# Altium PCB Digital_Output_PCB.PcbDoc (part 2 of 3)
Units mil, origin at the board's own origin, x right, y up, seen from the top; angles counter-clockwise.
Board outline 5600 x 4000 mil, 4 copper layers (Top Layer, Plane(Gnd), Plane(Power), Bottom Layer), stack 23.756 mil thick; 280 components, 305 nets, 760 pads, 331 vias.
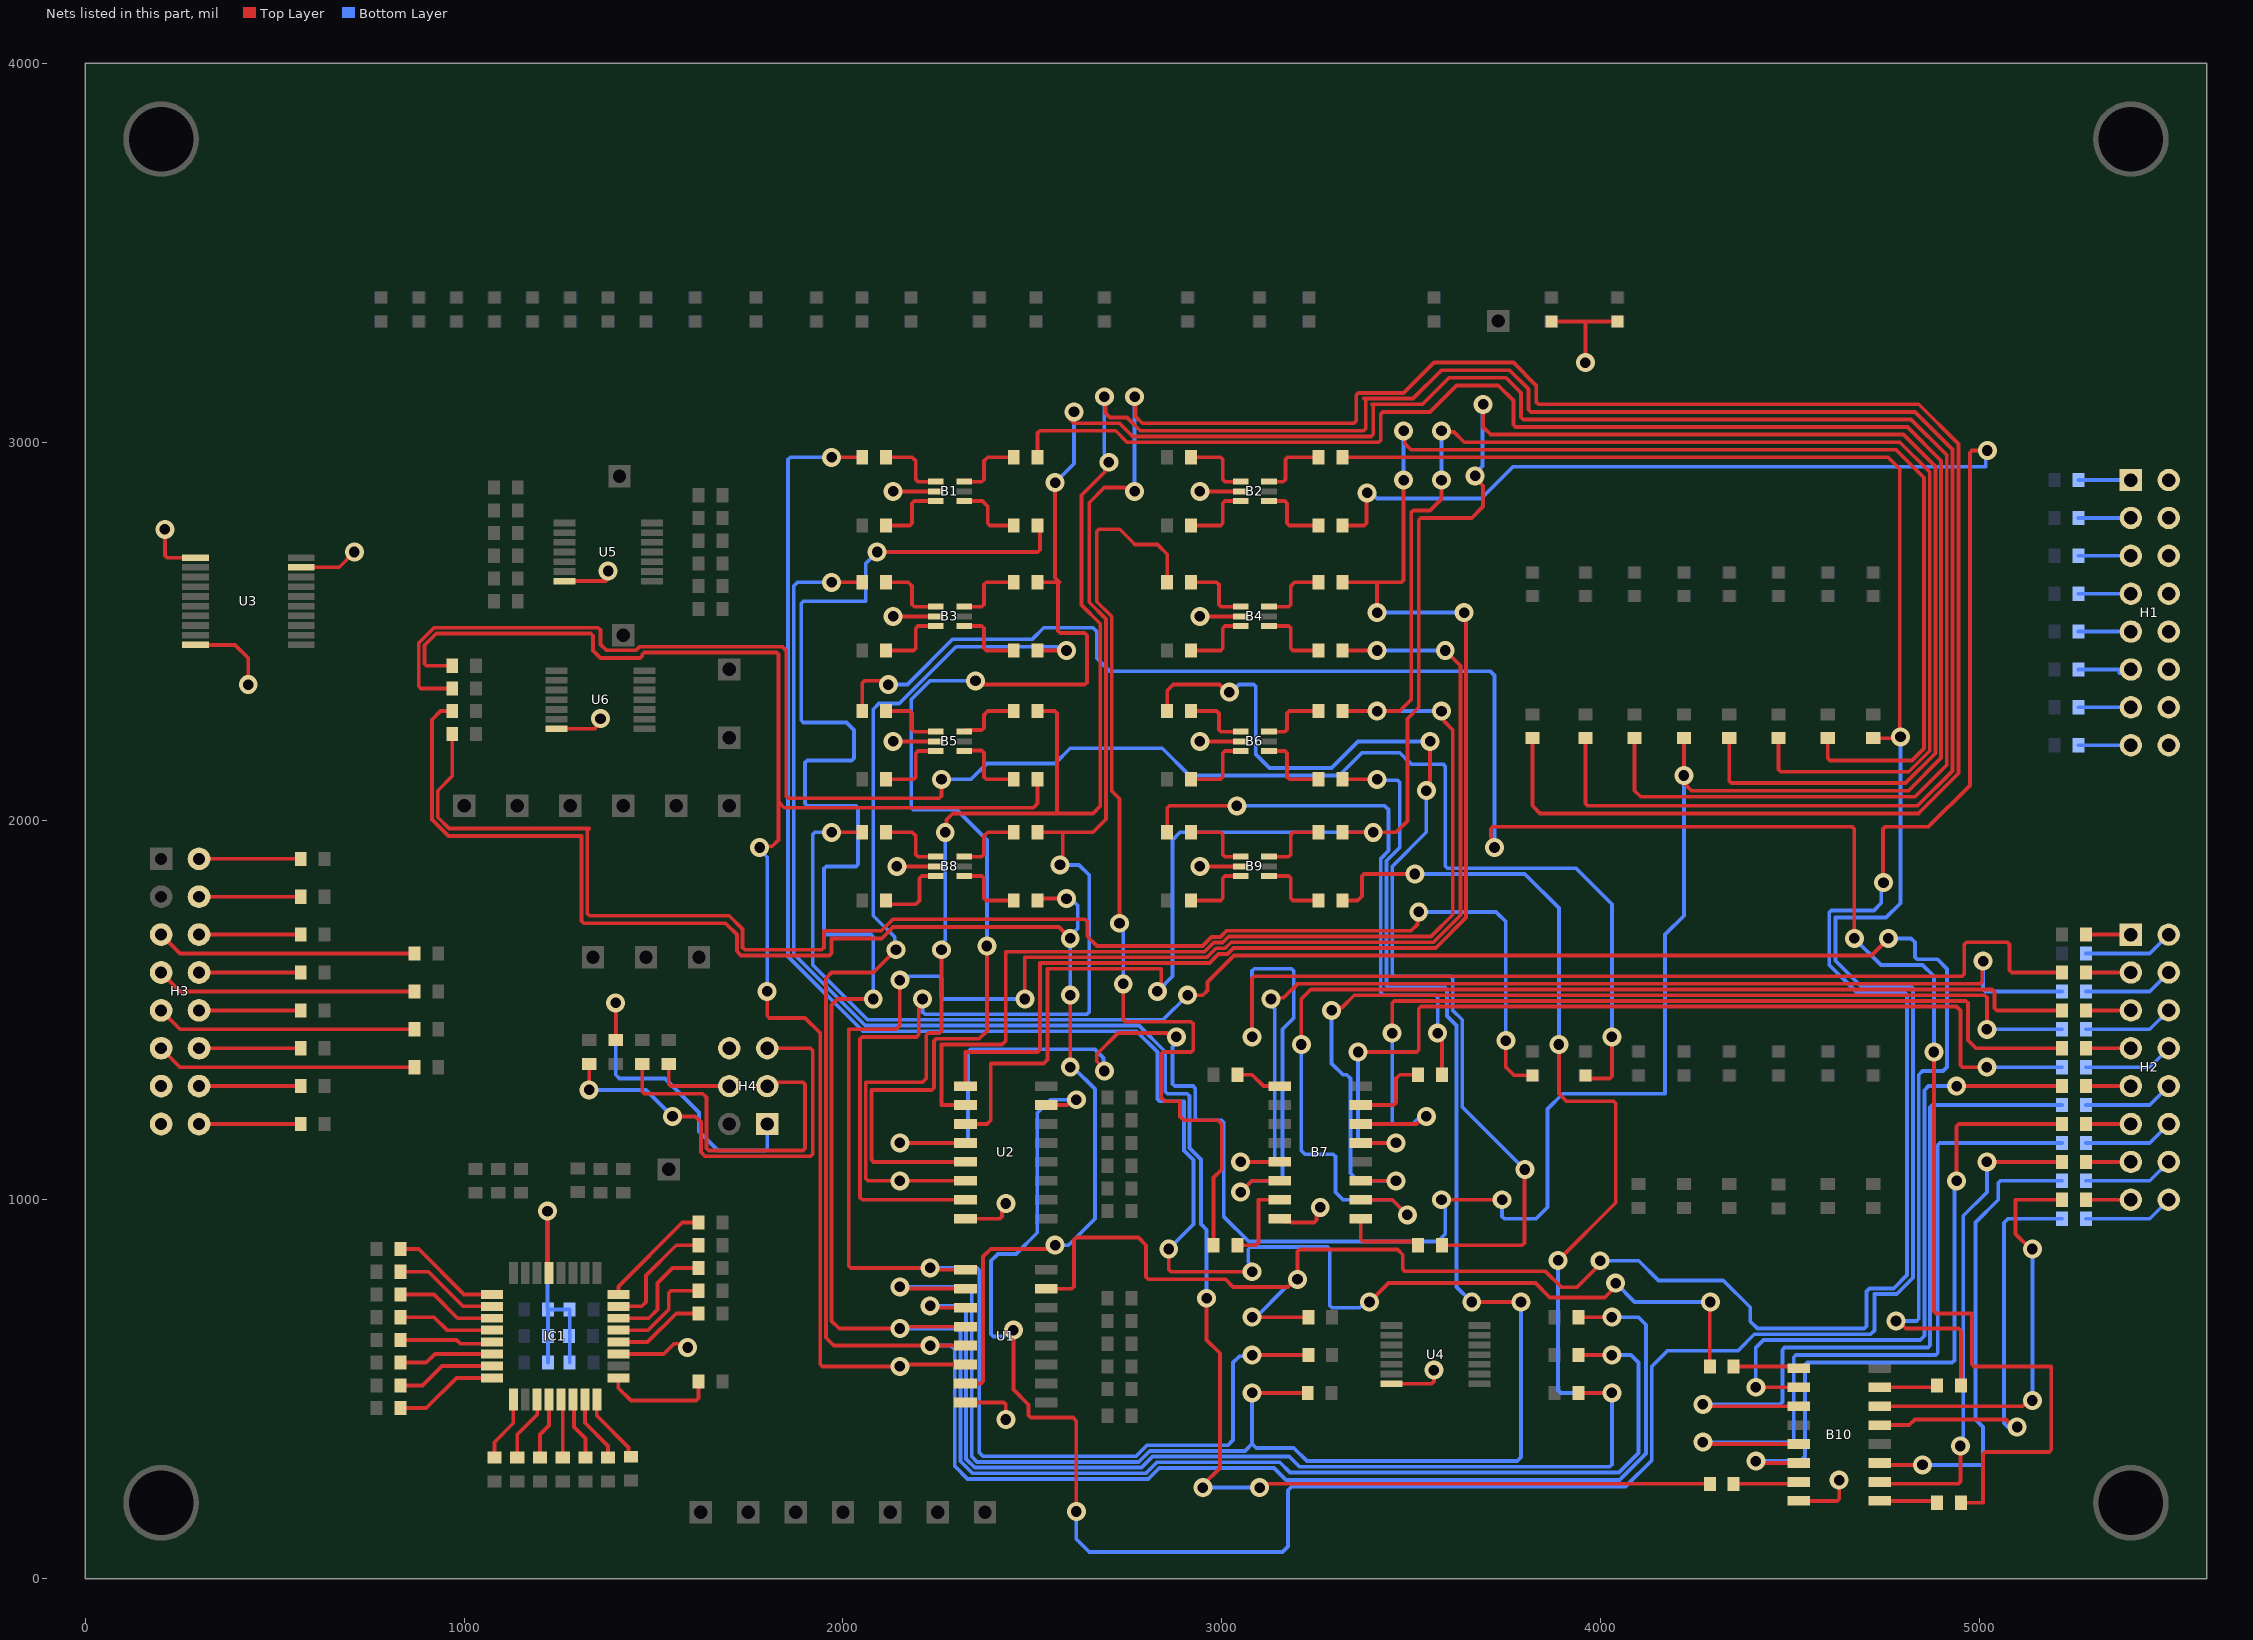
[diagram p4: the nets of this part, all layers, seen from the top]

## Via types
v1: diameter 50, hole 28, Top Layer to Bottom Layer, 331 vias

## Nets (pads, with @x,y where several pads share a name; then routed paths per layer and width w, separated by ;. In a path a pad name is that pad's centre, name@x,y a point inside that pad or via, vN(x,y) a via of type N, cw(c..) or ccw(c..) an arc to the next point about the centre after c; other vN are vias at no path point) (continued)
Diff_Channel_Out_1: R20.2 R50.1 | length 2612.9
  Top Layer w10: v1(2730,1730) 2730,2058.79 2709.39,2079.39 2709.39,2539.39 2670,2578.79 2670,2764.14 2675.86,2770 2730.88,2770 2765.02,2735.86 2770.88,2730 2830,2730 2855.91,2704.09 R20.2@2855.91,2630 ; v1(2740,1570) 2740,1475.86 2745.86,1470 2919.14,1470 2925,1464.14 2925,1395.86 2919.14,1390 2845.86,1390 2840,1384.14 2840,1270 2850,1260 2890,1260 2890,1220 2900,1210 2990,1210 3000,1200 3000,1080 2978.5,1058.5 R50.1@2978.5,880
  Bottom Layer w10: v1(2730,1730) 2734.14,1730 2740,1724.14 v1(2740,1570)
Diff_Channel_Out_1_A: B7.6 R27.1 | length 3541.6
  Top Layer w10: v1(3050,1020) 3080,1050 B7.6@3153.23,1050 ; v1(3080,1430) 3080,1584.14 3085.86,1590 4954.14,1590 4960,1595.86 4960,1674.14 4965.86,1680 5074.14,1680 5080,1674.14 5080,1605.86 5085.86,1600 R27.1@5218.5,1600
  Bottom Layer w10: v1(3050,1020) 3080,1050 3154.14,1050 3160,1055.86 3160,1450 3190,1480 3190,1604.14 3184.14,1610 3085.86,1610 3080,1604.14 v1(3080,1430)
Diff_Channel_Out_1_B: B7.5 R28.2 | length 2860.7
  Top Layer w10: v1(3050,1100) B7.5@3153.23,1100 ; v1(3130,1530) 3133.28,1533.28 3163.28,1533.28 3200,1570 5001.72,1570 5007.57,1575.86 5007.57,1627.57 v1(5010,1630)
  Bottom Layer w10: v1(3050,1100) 3134.14,1100 3140,1105.86 3140,1504.14 3137.65,1506.49 3137.65,1522.35 v1(3130,1530) ; v1(5010,1630) 5010,1555.86 5015.86,1550 R28.2@5218.5,1550
Diff_Channel_Out_2: R44.2 R51.1 | length 2813.8
  Top Layer w10: R44.2@2855.91,2290 2855.91,2344.14 2871.76,2360 2994.14,2360 3014.14,2340 v1(3020,2340) ; v1(3540,2080) 3550,2090 v1(3550,2210) ; R51.1@3581.5,880 3793.28,880 3799.14,885.86 3799.14,1079.14 v1(3800,1080)
  Bottom Layer w10: v1(3020,2340) 3025.86,2340 3045.86,2360 3084.14,2360 3090,2354.14 3090,2175.86 3125.86,2140 3290,2140 3360,2210 v1(3550,2210) ; v1(3540,2080) 3540,1970 3450,1880 3450,1595.86 3455.86,1590 3604.14,1590 3610,1584.14 3610,1500 3635,1475 3635,1245 v1(3800,1080)
Diff_Channel_Out_2_A: B7.10 R29.1 | length 3012.4
  Top Layer w10: v1(3210,1410) 3210,1530 3235,1555 5034.14,1555 5040,1549.14 5040,1505.86 5045.86,1500 R29.1@5218.5,1500 ; B7.10@3366.77,1000 3450,1000 v1(3490,960)
  Bottom Layer w10: v1(3210,1410) 3210,1130 3220,1120 3294.14,1120 3300,1114.14 3300,1020 3320,1000 3450,1000 v1(3490,960)
Diff_Channel_Out_2_B: B7.11 R30.2 | length 2709.7
  Top Layer w10: v1(3290,1500) 3297.65,1507.65 3317.65,1507.65 3350,1540 5014.14,1540 5020,1534.14 v1(5020,1450) ; B7.11@3366.77,1050 v1(3460,1050)
  Bottom Layer w10: v1(3290,1500) 3290,1360 3320,1330 3330,1330 3340,1320 3340,1070 3360,1050 v1(3460,1050) ; v1(5020,1450) R30.2@5218.5,1450
Diff_Channel_Out_3: R52.1 R56.2 | length 1514.3
  Top Layer w10: R56.2@2855.91,1970 2855.91,2034.14 2861.76,2040 v1(3040,2040) ; v1(3570,1440) 3575.64,1440 3581.5,1434.14 R52.1@3581.5,1330
  Bottom Layer w10: v1(3040,2040) 3430,2040 3440,2030 3440,1921.21 3420,1901.21 3420,1545.86 3425.86,1540 3564.14,1540 3570,1534.14 v1(3570,1440)
Diff_Channel_Out_3_A: B7.14 R31.1 | length 2475.6
  Top Layer w10: B7.14@3366.77,1200 3514.14,1200 3534.14,1220 v1(3540,1220) ; v1(3450,1440) 3450,1519.14 3455.86,1525 4964.14,1525 4970,1519.14 4970,1421.21 4991.21,1400 R31.1@5218.5,1400
  Bottom Layer w10: v1(3450,1440) 3450,1205.86 3455.86,1200 3504.14,1200 3516.49,1212.35 3532.35,1212.35 v1(3540,1220)
Diff_Channel_Out_3_B: B7.13 R32.2 | length 2552.1
  Top Layer w10: v1(3360,1390) 3514.14,1390 3520,1395.86 3520,1504.14 3525.86,1510 4940,1510 4950,1500 4950,1355.86 4955.86,1350 v1(5020,1350) ; B7.13@3366.77,1150 v1(3460,1150)
  Bottom Layer w10: v1(3360,1390) 3360,1155.86 3365.86,1150 v1(3460,1150) ; v1(5020,1350) R32.2@5218.5,1350
Diff_Channel_Out_4: R4.2 R61.1 | length 5184.1
  Top Layer w10: v1(1970,2960) R4.2@2050.91,2960 ; v1(2860,870) 2860,815.86 2865.86,810 v1(3080,810) ; v1(3390,730) 3440,780 3828,780 3866,742 4011,742 4040,771 v1(4040,780) ; R61.1@4288.5,560 4288.5,728.5 v1(4290,730)
  Bottom Layer w10: v1(1970,2960) 1860.86,2960 1855,2954.14 1855,1642.57 2052.57,1445 2775,1445 2830,1390 2830,1265.86 2835.86,1260 2900,1260 2900,1130 2925.36,1104.64 2925.36,935.36 v1(2860,870) ; v1(3080,810) 3072.35,817.65 3072.35,833.51 3070,835.86 3070,869.14 3075.86,875 3279.16,875 3285.01,869.14 3285.01,720.84 3290.87,714.99 3364.16,714.99 3379.18,730 v1(3390,730) ; v1(4040,780) 4090,730 v1(4290,730)
Diff_Channel_Out_4_A: B10.2 R33.1 | length 1692.3
  Top Layer w10: v1(4410,505) B10.2@4523.23,505 ; v1(4940,1300) R33.1@5218.5,1300
  Bottom Layer w10: v1(4410,505) 4410,610 4430,630 4844.14,630 4855,640.86 4855,1289.14 4865.86,1300 v1(4940,1300)
Diff_Channel_Out_4_B: B10.3 R34.2 | length 1980.1
  Top Layer w10: v1(4270,460) 4275,455 B10.3@4523.23,455
  Bottom Layer w10: v1(4270,460) 4474.14,460 4480,465.86 4480,604.14 4485.86,610 4864.14,610 4870,615.86 4870,1244.14 4875.86,1250 R34.2@5218.5,1250
Diff_Channel_Out_5: R19.2 R62.1 | length 4846.2
  Top Layer w10: v1(1970,2630) R19.2@2050.91,2630 ; v1(2950,240) 2950,247 2995,292 2995,595 2960,630 v1(2960,740) ; v1(3100,240) 3110.82,240 3120.82,250 R62.1@4288.5,250
  Bottom Layer w10: v1(1970,2630) 1880,2630 1870,2620 1870,1648.79 2058.79,1460 2781.21,1460 2850.61,1390.61 2850.61,1285.86 2856.46,1280 2908.79,1280 2915,1273.79 2915,1136.21 2945,1106.21 2945,936.02 2960,921.02 v1(2960,740) ; v1(2950,240) v1(3100,240)
Diff_Channel_Out_5_A: B10.6 R35.1 | length 1793.2
  Top Layer w10: v1(4410,310) 4415,305 B10.6@4523.23,305 ; v1(4940,1050) 4940,1194.14 4945.86,1200 R35.1@5218.5,1200
  Bottom Layer w10: v1(4410,310) 4528.23,310 4540,321.77 4540,564.14 4545.86,570 4928.28,570 4934.14,575.86 4934.14,1044.14 v1(4940,1050)
Diff_Channel_Out_5_B: B10.5 R36.2 | length 1980.1
  Top Layer w10: v1(4270,360) 4275,355 B10.5@4523.23,355
  Bottom Layer w10: v1(4270,360) 4504.14,360 4510,365.86 4510,584.14 4515.86,590 4884.14,590 4890,595.86 4890,1144.14 4895.86,1150 R36.2@5218.5,1150
Diff_Channel_Out_6: R43.2 R63.1 | length 5846
  Top Layer w10: R43.2@2050.91,2290 2050.91,2364.14 2056.76,2370 2124.14,2370 v1@2126.49,2367.65 ; v1(3720,1930) 3712.35,1937.65 3712.35,1957.65 3710,1960 3710,1979.14 3715.86,1985 4664.14,1985 4670,1979.14 v1(4670,1690) ; v1(4880,1390) 4880,705.86 4885.86,700 4980,700 4980,565.86 4985.86,560 5190,560 5190,340 5184.14,334.14 5015.86,334.14 5010,328.28 5010,200 R63.1@4951.5,200
  Bottom Layer w10: v1(2120,2360) 2170,2360 2290,2480 2500,2480 2530,2510 2660,2510 2670,2500 2670,2430 2705,2395 3709.14,2395 3720,2384.14 v1(3720,1930) ; v1(4670,1690) 4740,1620 4850,1620 4880,1590 v1(4880,1390)
Diff_Channel_Out_6_A: B10.10 R37.1 | length 1289.4
  Top Layer w10: B10.10@4736.77,255 4741.77,250 4944.14,250 4950,255.86 v1(4950,350) ; v1(5020,1100) R37.1@5218.5,1100
  Bottom Layer w10: v1(4950,350) 4957.65,357.65 4957.65,957.65 5020,1020 v1(5020,1100)
Diff_Channel_Out_6_B: B10.11 R38.2 | length 1223.5
  Top Layer w10: B10.11@4736.77,305 4741.77,300 v1(4850,300)
  Bottom Layer w10: v1(4850,300) 5010,300 5010,400 4990,420 4990,940 5050,1000 5050,1044.14 5055.86,1050 R38.2@5218.5,1050
Diff_Channel_Out_7: R55.2 R64.1 | length 5066.2
  Top Layer w10: v1(1970,1970) R55.2@2050.91,1970 ; v1(2910,1540) 2950,1540 2962.5,1552.5 2962.5,1575.22 3032.28,1645 4715,1645 v1(4760,1690) ; v1(4780,680) 4785.86,680 4805.86,660 4945.64,660 4951.5,654.14 R64.1@4951.5,510
  Bottom Layer w10: v1(1970,1970) 1925.86,1970 1920,1964.14 1920,1620 2065,1475 2845,1475 v1(2910,1540) ; v1(4760,1690) 4820,1690 4830,1680 4830,1640.86 4835.86,1635 4889.14,1635 4915,1609.14 4915,1350.86 4904.14,1340 4850,1340 4840,1330 4840,685.86 4834.14,680 v1(4780,680)
Diff_Channel_Out_7_A: B10.14 R39.1 | length 1082.8
  Top Layer w10: B10.14@4736.77,455 5114.18,455 5129.18,470 v1(5140,470) ; v1(5140,870) 5135.86,870 5095.86,910 5095.86,1000 R39.1@5218.5,1000
  Bottom Layer w10: v1(5140,470) v1(5140,870)
Diff_Channel_Out_7_B: B10.13 R40.2 | length 1103.5
  Top Layer w10: B10.13@4736.77,405 4815,405 4830,420 5070,420 5090,400 v1(5100,400)
  Bottom Layer w10: v1(5100,400) 5075.86,400 5065,410.86 5065,939.14 5075.86,950 R40.2@5218.5,950
Digital_Output_0: R8.1 R147.2 U1.15 | length 7738.9
  Top Layer w10: U1.15@2536.77,765 2604.14,765 2610,770.86 2610,894.14 2615.86,900 2780,900 2800,880 2800,795.86 2805.86,790 3010,790 3030,770 3174.14,770 3194.14,790 v1(3200,790) 3200,863.14 3205.86,869 3464,869 3478,855 3478,816.86 3483.86,811 3855,811 3897,769 3938,769 3999,830 v1(3999,839) ; v1(3080,690) R147.2@3228.5,690 ; R8.1@3318.9,2780 3376.14,2780 3382,2785.86 3382,2864 v1(3384,2866) ; v1(4747,1837) 4746,1838 4746,1979.14 4751.86,1985 4866,1985 4975,2094 4975,2972.14 4980.86,2978 v1(5021,2978)
  Bottom Layer w10: v1(3080,690) 3090,690 3170,770 3174.14,770 3194.14,790 v1(3200,790) ; v1(3384,2866) 3394.82,2866 3409.82,2851 3684.93,2851 3768.93,2935 5017,2935 5017,2958 5011.14,2963.86 5011.14,2968.14 v1(5021,2978) ; v1(3999,839) 4101,839 4153,787 4324,787 4395,716 4395,679 4414,660 4696.14,660 4702,665.86 4702,758 4710,766 4774,766 4809,801 4809,1541.14 4803.14,1547 4677,1547 4604,1620 4604,1758 4610,1764 4722,1764 4741.22,1783.22 4741.22,1831.22 v1(4747,1837)
Digital_Output_1: R22.1 R149.2 U1.1 | length 5592.3
  Top Layer w10: v1(2150,1580) 2150,1460 2140,1450 2015,1450 2015,825.86 2020.86,820 v1(2230,820) 2235,815 U1.1@2323.23,815 ; v1(2480,1530) 2480,1640 2961.21,1640 2985.21,1664 3008.85,1664 3024.85,1680 3558.79,1680 3630,1751.21 3630,2410 v1(3590,2450) ; v1(3080,590) R149.2@3228.5,590 ; R22.1@3318.9,2450 v1(3410,2450)
  Bottom Layer w10: v1(2150,1580) 2157.65,1587.65 2173.51,1587.65 2175.86,1590 2254.14,1590 2260,1584.14 2260,1535.86 2265.86,1530 v1(2480,1530) ; v1(2230,820) 2354.14,820 2360,814.14 2360,332.86 2369.86,323 2774,323 2803,352 3016.14,352 3030,365.86 3030,570 3046.72,586.72 3076.72,586.72 v1(3080,590) ; v1(3410,2450) v1(3590,2450)
Digital_Output_2: R46.1 R159.2 U1.2 | length 4850.6
  Top Layer w10: v1(2150,770) 2154.07,765.93 2322.29,765.93 U1.2@2323.23,765 ; v1(3080,490) R159.2@3227.01,490 ; R46.1@3318.9,2110 v1(3410,2110) ; v1(3660,730) v1(3790,730)
  Bottom Layer w10: v1(2150,770) 2334.14,770 2340,764.14 2340,322 2354,308 2781,308 2810,337 3061.14,337 3080,355.86 ; v1(3080,490) 3080,355.86 ; v1(3410,2110) 3412.43,2107.57 3464.14,2107.57 3470,2101.72 3470,1930 3435,1895 3435,1565.86 3440.86,1560 3589.14,1560 3595,1554.14 3595,1485 3620,1460 3620,770 v1(3660,730) ; v1(3790,730) 3790,320 3780,310 3225,310 3190,345 3090.86,345 3080,355.86
Digital_Output_3: R58.1 R161.2 U1.3 | length 4889.5
  Top Layer w10: v1(2230,720) 2235,715 U1.3@2323.23,715 ; R58.1@3318.9,1790 3358.79,1790 3370,1801.21 3370,1854.14 3375.86,1860 v1(3510,1860) ; v1(3888,840) 4040,992 4040,1254.14 4034.14,1260 3910,1260 3890,1280 v1(3890,1410) ; R161.2@3941.5,490 v1(4030,490)
  Bottom Layer w10: v1(2230,720) 2314.14,720 2325,709.14 2325,315.79 2347.79,293 2788,293 2817,322 3178,322 3205,295 4024.14,295 4030,300.86 v1(4030,490) 3895.86,490 3888,497.86 v1(3888,840) ; v1(3510,1860) 3800,1860 3890,1770 v1(3890,1410)
Digital_Output_4: R7.1 R163.2 U1.4 | length 6515.7
  Top Layer w10: v1(2080,1530) 1985.86,1530 1970,1514.14 1970,680 1990,660 v1(2150,660) 2155,665 U1.4@2323.23,665 ; v1(2090,2710) 2514.14,2710 2520,2715.86 2520,2773.9 R7.1@2513.9,2780 ; R163.2@3941.5,590 v1(4030,590)
  Bottom Layer w10: v1(2080,1530) 2080,1694.14 2074.14,1700 1955.86,1700 1950,1705.86 1950,1874.14 1955.86,1880 2034.14,1880 2040,1885.86 2040,2034.14 2034.14,2040 1905.86,2040 1900,2045.86 1900,2154.14 1905.86,2160 2023.28,2160 2029.14,2165.86 2029.14,2240 2009.14,2260 1895.86,2260 1890,2265.86 1890,2574.14 1895.86,2580 2060,2580 2060,2680 v1(2090,2710) ; v1(2150,660) 2300,660 2310,650 2310,309.57 2341.57,278 2799.79,278 2828.79,307 3153,307 3180,280 4048.79,280 4100,331.21 4100,570 4080,590 v1(4030,590)
Digital_Output_5: R21.1 R165.2 U1.5 | length 5652.2
  Top Layer w10: v1(2140,1660) 2080,1600 1970,1600 1955,1585 1955,635.86 1975.86,615 v1(2230,615) ; v1@2235,615 U1.5@2323.23,615 ; R21.1@2513.9,2450 v1(2590,2450) ; R165.2@3941.5,690 v1(4030,690)
  Bottom Layer w10: v1(2140,1660) 2136.72,1663.28 2136.72,1693.28 2080,1750 2080,2295 2095,2310 2148.79,2310 2298.79,2460 2564.14,2460 2566.49,2457.65 2582.35,2457.65 v1(2590,2450) ; v1(2230,615) 2284.14,615 2295,604.14 2295,297.07 2329.07,263 2806,263 2835,292 3138,292 3170,260 4050,260 4120,330 4120,670 4100,690 v1(4030,690)
Digital_Output_6: R45.1 R181.2 U1.6 | length 4311.7
  Top Layer w10: R181.2@968.5,2410 900.86,2410 895,2415.86 895,2463.79 926.21,2495 1334.14,2495 1340,2489.14 1340,2450 1360,2430 1464.14,2430 1470,2435.86 1470,2439.14 1475.86,2445 1824.14,2445 1830,2439.14 1830,2050 ; v1(1780,1930) 1783.28,1933.28 1813.28,1933.28 1830,1950 1830,2045 1830,2050 ; v1(1800,1550) 1800,1485.86 1805.86,1480 1900,1480 1940,1440 1940,565.86 1945.86,560 v1(2150,560) 2155,565 U1.6@2323.23,565 ; R45.1@2513.9,2110 2513.9,2045.86 2503.04,2035 1845,2035 1830,2050
  Bottom Layer w10: v1(1780,1930) 1780,1924.14 1800,1904.14 v1(1800,1550)
Digital_Output_6_Inv: LED18.1 R180.1 | length 4798.6
  Top Layer w10: R180.1@968.5,2350 885.86,2350 880,2355.86 880,2470 920,2510 1354.14,2510 1360,2504.14 1360,2465.86 1375.39,2450.47 1453.67,2450.47 1463.2,2460 1840,2460 1850,2450 1850,2065.86 1855.86,2060 2254.14,2060 2260,2065.86 v1(2260,2110) ; LED18.1@3960,1328.5 3968.5,1320 4024.14,1320 4030,1325.86 v1(4030,1430)
  Bottom Layer w10: v1(2260,2110) 2338,2110 2380,2152 2560,2152 2600,2192 2843,2192 2915,2120 3310,2120 3370,2180 3470,2180 3500,2150 3584.14,2150 3590,2144.14 3590,1880.86 3595.86,1875 3935,1875 4030,1780 v1(4030,1430)
Digital_Output_7: R57.1 R185.2 U1.7 | length 4082.5
  Top Layer w10: R185.2@968.5,2290 937.76,2290 915,2267.24 915,2003.79 958.79,1960 1310,1960 1310,1735.86 1315.86,1730 1690,1730 1720,1700 1720,1655.86 1730.86,1645 1964.14,1645 1970,1650.86 1970,1690 2102.43,1690 2132.43,1720 2570,1720 v1(2600,1690) ; U1.7@2323.23,515 2364.14,515 2370,520.86 2370,850 2390,870 2554.14,870 2560,875.86 v1(2560,880) ; R57.1@2513.9,1790 2518.9,1795 v1(2590,1795) ; v1(2600,1350) v1(2600,1540)
  Bottom Layer w10: v1(2560,880) 2595,880 2665,950 2665,1292 2607,1350 v1(2600,1350) ; v1(2590,1795) 2600.82,1795 2613.25,1782.57 2614.14,1782.57 2620,1776.72 2620,1715.86 2600,1695.86 v1(2600,1540)
Digital_Output_7_Inv: LED17.1 R184.1 | length 4008
  Top Layer w10: R184.1@968.5,2230 968.5,2118.5 930,2080 930,2010 960,1980 1325,1980 1330,1980 1325,1975 1325,1755.86 1330.86,1750 1700,1750 1735,1715 1735,1665.86 1740.86,1660 1944.14,1660 1950,1665.86 1950,1710 2101.21,1710 2131.82,1740.61 2639.14,1740.61 2645,1734.75 2645,1695.86 2670.86,1670 2948.79,1670 2972.79,1694 2996.43,1694 3012.43,1710 3500,1710 3516.72,1726.72 3516.72,1756.72 v1(3520,1760) ; v1(3750,1420) 3750,1350 3771.5,1328.5 LED17.1@3820,1328.5
  Bottom Layer w10: v1(3520,1760) 3724.14,1760 3750,1734.14 v1(3750,1420)
Digital_Output_Source_0: R11.2 R166.2 U2.15 | length 8428.3
  Top Layer w10: v1(2450,656) 2450,499 2490,459 2490,430.86 2495.86,425 2607,425 2616,416 v1(2616,177) ; U2.15@2536.77,1250 2591.18,1250 2605.18,1264 v1(2616,1264) ; R11.2@3318.9,2960 4758.79,2960 4790,2928.79 v1@4790,2231.21 ; R166.2@4720,2218.5 4777.29,2218.5 4783.65,2224.86 4786.5,2222 v1(4792,2222)
  Bottom Layer w10: v1(2450,656) 2441.14,656 2424.14,639 2396.86,639 2391,644.86 2391,839 2409,857 2457,857 2513,913 2513,1229 2548,1264 v1(2616,1264) ; v1(2616,177) 2616,104 2650,70 3160,70 3175,85 3175,233 3185,243 4066,243 4135,312 4135,560 4176.5,601.5 4362.5,601.5 4406,645 4713,645 4723,655 4723,751 4782,751 4825,794 4825,1558.14 4819.14,1564 4687,1564 4620,1631 4620,1745 4754,1745 4792,1783 v1(4792,2222)
Digital_Output_Source_1: R24.2 R167.2 U2.1 | length 5847.4
  Top Layer w10: U2.1@2323.23,1300 2323.23,1390 2514.14,1390 2520,1395.86 2520,1625 2967.43,1625 2991.43,1649 3015.07,1649 3031.07,1665 3565,1665 3645,1745 3645,2545 v1(3640,2550) ; R24.2@3318.9,2630 3410,2630 ; v1(3410,2550) 3410,2630 ; v1(3480,2900) 3480,2635.86 3474.14,2630 3410,2630 ; v1(3480,3030) 3483.28,3026.72 3483.28,2996.72 3500,2980 4780,2980 4854,2906 4854,2191.43 4822.57,2160 4605.86,2160 4600,2165.86 R167.2@4600,2218.5
  Bottom Layer w10: v1(3410,2550) v1(3640,2550) ; v1(3480,2900) v1(3480,3030)
Digital_Output_Source_2: R48.2 R168.2 U2.2 | length 6112.1
  Top Layer w10: U2.2@2323.23,1250 2260,1250 2260,1410 2420,1410 2430,1420 2430,1655 2955,1655 2979,1679 3002.64,1679 3018.64,1695 3552.57,1695 3610,1752.43 3610,2240 3587.65,2262.35 3587.65,2282.35 v1(3580,2290) ; R48.2@3318.9,2290 v1(3410,2290) 3470,2290 3500,2320 3500,2814.14 3505.86,2820 3550,2820 3580,2850 v1(3580,2900) ; v1(3580,3030) 3583.28,3026.72 3613.28,3026.72 3640,3000 4790,3000 4869,2921 4869,2185.21 4813.79,2130 4475.86,2130 4470,2135.86 R168.2@4470,2218.5
  Bottom Layer w10: v1(3410,2290) v1(3580,2290) ; v1(3580,2900) v1(3580,3030)
Digital_Output_Source_3: R60.2 R173.2 U2.3 | length 6142.3
  Top Layer w10: U2.3@2323.23,1200 2380,1200 2390,1210 2390,1360 2530,1360 2540,1370 2540,1610 2840,1610 2840,1560 v1(2830,1550) ; R60.2@3318.9,1970 v1(3400,1970) 3460,1970 3490,2000 3490,2270 3520,2300 3520,2794.14 3525.86,2800 3660,2800 3690,2830 3690,2885.14 3669,2906.14 v1(3669,2911) ; v1(3690,3100) 3690,3040 3710,3020 4800,3020 4884,2936 4884,2179 4805,2100 4345.86,2100 4340,2105.86 R173.2@4340,2218.5
  Bottom Layer w10: v1(2830,1550) 2870,1590 2870,1950 2890,1970 v1(3400,1970) ; v1(3669,2911) 3669,2917.25 3688.61,2936.86 3688.61,3098.61 v1(3690,3100)
Digital_Output_Source_4: R10.2 R174.2 U2.4 | length 8698
  Top Layer w10: v1(2150,1150) U2.4@2323.23,1150 ; R10.2@2513.9,2960 2513.9,3024.14 2519.76,3030 2720,3030 2750,3000 3414.14,3000 3420,3005.86 3420,3074.14 3425.86,3080 3550,3080 3620,3150 3730,3150 3770,3110 3770,3045.86 3775.86,3040 4810,3040 4899,2951 4899,2166 4813,2080 4240,2080 4220,2100 v1(4220,2120) R174.2@4220,2218.5 ; v1(2690,1340) 2690,1345.86 2670,1365.86 2670,1384.14 2725.86,1440 2854.14,1440 2856.49,1437.65 2872.35,1437.65 v1(2880,1430) ; v1(3580,1000) v1(3740,1000)
  Bottom Layer w10: v1(2150,1150) 2324.14,1150 2330,1155.86 2330,1390 2337.57,1397.57 2664.14,1397.57 2687.57,1374.14 2687.57,1342.43 v1(2690,1340) ; v1(2880,1430) 2872.35,1422.35 2872.35,1406.49 2870,1404.14 2870,1305.86 2875.86,1300 2924.14,1300 2930,1294.14 2930,1215.86 2935.86,1210 2999.14,1210 3005,1204.14 3005,956.21 3071.21,890 3570,890 3590,910 3590,990 v1(3580,1000) ; v1(3740,1000) 3740,955.86 3745.86,950 3830,950 3860,980 3860,1240 3900,1280 4170,1280 4170,1700 4220,1750 v1(4220,2120)
Digital_Output_Source_5: R23.2 R175.2 U2.5 | length 7676.7
  Top Layer w10: U2.5@2323.23,1100 2080.86,1100 2075,1105.86 2075,1290 2234.14,1290 2240,1295.86 2240,1419.14 2245.86,1425 2359.14,1425 2380,1445.86 v1(2380,1670) ; v1(2350,2370) 2350.86,2370.86 2359.14,2370.86 2370,2360 2638.14,2360 2644,2365.86 2644,2490.14 2638.14,2496 2573.86,2496 2568,2501.86 2568,2630 ; R23.2@2513.9,2630 2568,2630 ; v1(2560,2893) 2560,2642 2572,2630 2568,2630 ; v1(2610,3080) 2600,3070 2600,3060 2610,3050 2730,3050 2765,3015 3394.14,3015 3400,3020.86 3400,3095.86 3395.86,3100 3530,3100 3600,3170 3750,3170 3780,3140 3790,3130 3790,3065.86 3795.86,3060 4820,3060 4914,2966 4914,2148 4830,2064 4106,2064 4090,2080 R175.2@4090,2218.5
  Bottom Layer w10: v1(2350,2370) 2230,2370 2180,2320 2180,2035.86 2185.86,2030 2300,2030 2380,1950 v1(2380,1670) ; v1(2560,2893) 2610,2943 v1(2610,3080)
Digital_Output_Source_6: R47.2 R176.2 U2.6 | length 7820.3
  Top Layer w10: v1(2260,1660) 2260,1445.86 2254.14,1440 2225.86,1440 2220,1434.14 2220,1320 2210,1310 2060,1310 2060,1055.86 2065.86,1050 v1(2150,1050) U2.6@2323.23,1050 ; v1(2270,1970) 2273.28,1973.28 2273.28,2003.28 2290,2020 2565,2020 ; R47.2@2513.9,2290 2559.14,2290 2565,2284.14 2565,2020 ; v1(2690,3120) 2693.28,3116.72 2693.28,3076.72 2705,3065 2750,3065 2785,3030 3374.14,3030 3380,3035.86 3380,3110.86 3375.86,3115 3505,3115 3580,3190 3760,3190 3810,3140 3810,3085.86 3815.86,3080 4830,3080 4929,2981 4929,2132 4837,2040 3965.86,2040 3960,2045.86 R176.2@3960,2218.5 ; v1(2702,2947) 2702,2936.18 2691.22,2925.39 2691.22,2921.22 2630,2860 2630,2570 2679.39,2520.61 2679.39,2039.39 2660,2020 2565,2020
  Bottom Layer w10: v1(2260,1660) 2267.65,1667.65 2267.65,1683.51 2270,1685.86 v1(2270,1970) ; 2690,2969.82 v1(2690,3120)
Digital_Output_Source_7: R59.2 R177.2 U2.7 | length 8066.8
  Top Layer w10: v1@2202.35,1506.49 2200,1504.14 2200,1435.86 2194.14,1430 2050.86,1430 2045,1424.14 2045,1005.86 2050.86,1000 U2.7@2323.23,1000 ; R59.2@2513.9,1970 2580,1970 ; v1(2573,1884) 2580,1891 2580,1970 ; v1(2770,2870) 2762.35,2877.65 2746.49,2877.65 2744.14,2880 2690,2880 2650,2840 2650,2577.57 2694.39,2533.18 2694.39,2004.39 2660,1970 2580,1970 ; v1(2770,3120) 2772.43,3117.57 2772.43,3067.57 2790,3050 3349.14,3050 3355,3055.86 3355,3124.14 3360.86,3130 3480,3130 3560,3210 3770,3210 3830,3150 3830,3105.86 3835.86,3100 4840,3100 4945,2995 4945,2126 4840,2021 4840,2020 3840,2020 3820,2040 R177.2@3820,2218.5
  Bottom Layer w10: v1(2210,1530) 2210,1495.86 2215.86,1490 2644.14,1490 2650,1495.86 2650,1857 2623,1884 v1(2573,1884) ; v1(2770,2870) v1(2770,3120)
GND: B1.2 B2.2 B3.2 B4.2 B5.2 B6.2 B7.8 B8.2 B9.2 B10.8 C1.2 C2.2 C3.2 C4.2 C5.2 C6.2 H1.2 H1.4 H1.6 H1.8 H1.10 H1.12 H1.14 H1.16 H3.13 H3.15 H4.6 IC1.19 IC1.29 LED25.1 LED26.1 U1.8 U2.8 U3.1 U3.10 U3.19 U4.7 U5.7 U6.7 | length 3654
  Top Layer w10: v1(210,2770) 210,2701.02 215.86,2695.16 U3.1@290.24,2695.16 ; U3.10@290.24,2464.84 395.16,2464.84 430,2430 v1(430,2360) ; U3.19@569.76,2669.57 570.2,2670 670,2670 v1(710,2710) ; v1(1220,970) 1220,811.1 IC1.29@1224.25,806.85 ; U6.7@1244.33,2243.23 1344.14,2243.23 1350,2249.09 1350,2249.18 1360,2259.18 v1(1360,2270) ; U5.7@1264.33,2633.23 1373.23,2633.23 1380,2640 v1(1380,2660) ; IC1.19@1406.85,592.76 1526.9,592.76 1554.14,620 1564.14,620 1566.49,617.65 1582.35,617.65 v1(1590,610) ; v1(2132.4,2210) B5.2@2245,2210 ; v1(2132.4,2540) B3.2@2245,2540 ; v1(2132.4,2870) B1.2@2245,2870 ; v1(2142.4,1880) B8.2@2245,1880 ; U1.8@2323.23,465 2424.14,465 2430,459.14 v1(2430,420) ; U2.8@2323.23,950 2414.14,950 2420,955.86 2420,984.14 2425.86,990 v1(2430,990) ; v1(2942.4,1880) B9.2@3050,1880 ; v1(2942.4,2210) B6.2@3050,2210 ; v1(2942.4,2540) B4.2@3050,2540 ; v1(2942.4,2870) B2.2@3050,2870 ; B7.8@3153.23,950 3161.02,942.2 3181.9,942.2 3184.11,940 3244.14,940 3250,945.86 3250,974.14 3255.86,980 v1(3260,980) ; U4.7@3448.66,514.41 3554.14,514.41 3560,520.27 v1(3560,550) ; LED26.1@3870,3318.5 3960,3318.5 ; v1(3960,3210) 3960,3318.5 ; LED25.1@4045,3318.5 3960,3318.5 ; B10.8@4523.23,205 4624.14,205 4630,210.86 v1(4630,260)
  Bottom Layer w10: v1(1220,970) 1220,711.5 C6.2@1221.5,710 ; C3.2@1221.5,570 C2.2@1221.5,640 C6.2@1221.5,710 ; C1.2@1278.5,570 C4.2@1278.5,710 C6.2@1221.5,710
NetB1_1: B1.1 R4.1 | length 186.2
  Top Layer w10: R4.1@2113.9,2960 2182.4,2960 2192.4,2950 2192.4,2901.45 2198.26,2895.59 B1.1@2245,2895.59
NetB1_3: B1.3 R1.1 | length 188.6
  Top Layer w10: R1.1@2113.9,2780 2176.54,2780 2182.4,2785.86 2182.4,2838.55 2188.26,2844.41 B1.3@2245,2844.41
NetB1_4: B1.4 R7.2 | length 183.6
  Top Layer w10: B1.4@2319.8,2844.41 2367.99,2844.41 2382.4,2830 2382.4,2785.86 2388.26,2780 R7.2@2450.91,2780
NetB1_6: B1.6 R10.1 | length 190.3
  Top Layer w10: B1.6@2322.68,2898.46 B1.6@2319.8,2895.59 2366.54,2895.59 2372.4,2901.45 2372.4,2950 2382.4,2960 R10.1@2450.91,2960
NetB2_1: B2.1 R5.1 | length 188.6
  Top Layer w10: R5.1@2918.9,2960 2996.54,2960 3002.4,2954.14 3002.4,2901.45 3008.26,2895.59 B2.1@3050,2895.59
NetB2_3: B2.3 R2.1 | length 188.6
  Top Layer w10: R2.1@2918.9,2780 2996.54,2780 3002.4,2785.86 3002.4,2838.55 3008.26,2844.41 B2.3@3050,2844.41
NetB2_4: B2.4 R8.2 | length 188.6
  Top Layer w10: B2.4@3124.8,2844.41 3166.54,2844.41 3172.4,2838.55 3172.4,2785.86 3178.26,2780 R8.2@3255.91,2780
NetB2_6: B2.6 R11.1 | length 188.6
  Top Layer w10: B2.6@3124.8,2895.59 3162.13,2895.59 3167.99,2901.45 3167.99,2954.14 3173.85,2960 R11.1@3255.91,2960
NetB3_1: B3.1 R19.1 | length 186.2
  Top Layer w10: R19.1@2113.9,2630 2172.4,2630 2182.4,2620 2182.4,2571.45 2188.26,2565.59 B3.1@2245,2565.59
NetB3_3: B3.3 R17.1 | length 188.6
  Top Layer w10: R17.1@2113.9,2450 2186.54,2450 2192.4,2455.86 2192.4,2508.55 2198.26,2514.41 B3.3@2245,2514.41
NetB3_4: B3.4 R21.2 | length 188.6
  Top Layer w10: B3.4@2319.8,2514.41 2366.54,2514.41 2372.4,2508.55 2372.4,2455.86 2378.26,2450 R21.2@2450.91,2450
NetB3_6: B3.6 R23.1 | length 188.6
  Top Layer w10: B3.6@2319.8,2565.59 2366.54,2565.59 2372.4,2571.45 2372.4,2624.14 2378.26,2630 R23.1@2450.91,2630
NetB4_1: B4.1 R20.1 | length 188.6
  Top Layer w10: R20.1@2918.9,2630 2986.54,2630 2992.4,2624.14 2992.4,2571.45 2998.26,2565.59 B4.1@3050,2565.59
NetB4_3: B4.3 R18.1 | length 188.6
  Top Layer w10: R18.1@2918.9,2450 2996.54,2450 3002.4,2455.86 3002.4,2508.55 3008.26,2514.41 B4.3@3050,2514.41
NetB4_4: B4.4 R22.2 | length 188.6
  Top Layer w10: B4.4@3124.8,2514.41 3176.54,2514.41 3182.4,2508.55 3182.4,2455.86 3188.26,2450 R22.2@3255.91,2450
NetB4_6: B4.6 R24.1 | length 186.2
  Top Layer w10: B4.6@3124.8,2565.59 3176.54,2565.59 3182.4,2571.45 3182.4,2620 3192.4,2630 R24.1@3255.91,2630
NetB5_1: B5.1 R43.1 | length 178.6
  Top Layer w10: R43.1@2113.9,2290 2176.54,2290 2182.4,2284.14 2182.4,2241.45 2188.26,2235.59 B5.1@2245,2235.59
NetB5_3: B5.3 R41.1 | length 198.6
  Top Layer w10: R41.1@2113.9,2110 2186.54,2110 2192.4,2115.86 2192.4,2178.55 2198.26,2184.41 B5.3@2245,2184.41
NetB5_4: B5.4 R45.2 | length 200.7
  Top Layer w10: B5.4@2319.8,2184.41 2321.18,2185.78 2348.19,2185.78 2348.26,2185.86 2366.54,2185.86 2372.4,2180 2372.4,2115.86 2378.26,2110 R45.2@2450.91,2110
NetB5_6: B5.6 R47.1 | length 173.6
  Top Layer w10: B5.6@2319.8,2235.59 2322.68,2238.46 2339.8,2238.46 2341.33,2240 2366.54,2240 2372.4,2245.86 2372.4,2280 2382.4,2290 R47.1@2450.91,2290
NetB6_1: B6.1 R44.1 | length 178.6
  Top Layer w10: R44.1@2918.9,2290 2986.54,2290 2992.4,2284.14 2992.4,2241.45 2998.26,2235.59 B6.1@3050,2235.59
NetB6_3: B6.3 R42.1 | length 198.6
  Top Layer w10: R42.1@2918.9,2110 2996.54,2110 3002.4,2115.86 3002.4,2178.55 3008.26,2184.41 B6.3@3050,2184.41
NetB6_4: B6.4 R46.2 | length 198.6
  Top Layer w10: B6.4@3124.8,2184.41 3166.54,2184.41 3172.4,2178.55 3172.4,2115.86 3178.26,2110 R46.2@3255.91,2110
NetB6_6: B6.6 R48.1 | length 178.6
  Top Layer w10: B6.6@3124.8,2235.59 3166.54,2235.59 3172.4,2241.45 3172.4,2284.14 3178.26,2290 R48.1@3255.91,2290
NetB7_1: B7.1 R49.2 | length 124.2
  Top Layer w10: R49.2@3041.5,1330 3080,1330 3110,1300 B7.1@3153.23,1300
NetB7_7: B7.7 R50.2 | length 227.4
  Top Layer w10: R50.2@3041.5,880 3090,880 3097.36,887.36 3097.36,1000 B7.7@3153.23,1000
NetB7_9: B7.9 R51.2 | length 212.4
  Top Layer w10: B7.9@3366.77,950 3366.77,895.86 3372.63,890 3508.5,890 R51.2@3518.5,880
NetB7_15: B7.15 R52.2 | length 222.4
  Top Layer w10: B7.15@3366.77,1250 3454.14,1250 3460,1255.86 3460,1320 3470,1330 R52.2@3518.5,1330
NetB8_1: B8.1 R55.1 | length 186.2
  Top Layer w10: R55.1@2113.9,1970 2182.4,1970 2192.4,1960 2192.4,1911.45 2198.26,1905.59 B8.1@2245,1905.59
NetB8_3: B8.3 R53.1 | length 200.4
  Top Layer w10: R53.1@2113.9,1790 2123.9,1780 2192.4,1780 2202.4,1790 2202.4,1848.55 2208.26,1854.41 B8.3@2245,1854.41
NetB8_4: B8.4 R57.2 | length 188.6
  Top Layer w10: B8.4@2319.8,1854.41 2366.54,1854.41 2372.4,1848.55 2372.4,1795.86 2378.26,1790 R57.2@2450.91,1790
NetB8_6: B8.6 R59.1 | length 186.2
  Top Layer w10: B8.6@2319.8,1905.59 2366.54,1905.59 2372.4,1911.45 2372.4,1960 2382.4,1970 R59.1@2450.91,1970
NetB9_1: B9.1 R56.1 | length 188.6
  Top Layer w10: R56.1@2918.9,1970 2996.54,1970 3002.4,1964.14 3002.4,1911.45 3008.26,1905.59 B9.1@3050,1905.59
NetB9_3: B9.3 R54.1 | length 188.6
  Top Layer w10: R54.1@2918.9,1790 2996.54,1790 3002.4,1795.86 3002.4,1848.55 3008.26,1854.41 B9.3@3050,1854.41
NetB9_4: B9.4 R58.2 | length 188.6
  Top Layer w10: B9.4@3124.8,1854.41 3176.54,1854.41 3182.4,1848.55 3182.4,1795.86 3188.26,1790 R58.2@3255.91,1790
NetB9_6: B9.6 R60.1 | length 188.6
  Top Layer w10: B9.6@3124.8,1905.59 3176.54,1905.59 3182.4,1911.45 3182.4,1964.14 3188.26,1970 R60.1@3255.91,1970
NetB10_1: B10.1 R61.2 | length 173.8
  Top Layer w10: R61.2@4351.5,560 4518.23,560 B10.1@4523.23,555
NetB10_7: B10.7 R62.2 | length 173.8
  Top Layer w10: R62.2@4351.5,250 4518.23,250 B10.7@4523.23,255
NetB10_9: B10.9 R63.2 | length 153.8
  Top Layer w10: B10.9@4736.77,205 4883.5,205 R63.2@4888.5,200
NetB10_15: B10.15 R64.2 | length 153.8
  Top Layer w10: B10.15@4736.77,505 4883.5,505 R64.2@4888.5,510
NetH1_1: H1.1 R3.2 | length 138.5
  Bottom Layer w10: R3.2@5261.5,2900 H1.1@5400,2900
NetH1_3: H1.3 R6.2 | length 138.5
  Bottom Layer w10: R6.2@5261.5,2800 H1.3@5400,2800
NetH1_5: H1.5 R9.2 | length 138.5
  Bottom Layer w10: R9.2@5261.5,2700 H1.5@5400,2700
NetH1_7: H1.7 R12.2 | length 138.5
  Bottom Layer w10: R12.2@5261.5,2600 H1.7@5400,2600
NetH1_9: H1.9 R13.2 | length 138.5
  Bottom Layer w10: R13.2@5261.5,2500 H1.9@5400,2500
NetH1_11: H1.11 R14.2 | length 149.8
  Bottom Layer w10: R14.2@5261.5,2400 H1.11@5400,2400 ; 5369.61,2390 5370.23,2390.61 5379.77,2390.61 H1.11@5380.39,2390
NetH1_13: H1.13 R15.2 | length 138.5
  Bottom Layer w10: R15.2@5261.5,2300 H1.13@5400,2300
NetH1_15: H1.15 R16.2 | length 138.5
  Bottom Layer w10: R16.2@5261.5,2200 H1.15@5400,2200
NetH2_1: H2.1 R25.2 | length 118.5
  Top Layer w10: R25.2@5281.5,1700 H2.1@5400,1700
NetH2_2: H2.2 R26.1 | length 239.2
  Bottom Layer w10: R26.1@5281.5,1650 5450,1650 H2.2@5500,1700
NetH2_3: H2.3 R27.2 | length 118.5
  Top Layer w10: R27.2@5281.5,1600 H2.3@5400,1600
NetH2_4: H2.4 R28.1 | length 239.2
  Bottom Layer w10: R28.1@5281.5,1550 5450,1550 H2.4@5500,1600
NetH2_5: H2.5 R29.2 | length 118.5
  Top Layer w10: R29.2@5281.5,1500 H2.5@5400,1500
NetH2_6: H2.6 R30.1 | length 239.2
  Bottom Layer w10: R30.1@5281.5,1450 5450,1450 H2.6@5500,1500
NetH2_7: H2.7 R31.2 | length 118.5
  Top Layer w10: R31.2@5281.5,1400 H2.7@5400,1400
NetH2_8: H2.8 R32.1 | length 239.2
  Bottom Layer w10: R32.1@5281.5,1350 5450,1350 H2.8@5500,1400
NetH2_9: H2.9 R33.2 | length 118.5
  Top Layer w10: R33.2@5281.5,1300 H2.9@5400,1300
NetH2_10: H2.10 R34.1 | length 239.2
  Bottom Layer w10: R34.1@5281.5,1250 5450,1250 H2.10@5500,1300
NetH2_11: H2.11 R35.2 | length 118.5
  Top Layer w10: R35.2@5281.5,1200 H2.11@5400,1200
NetH2_12: H2.12 R36.1 | length 239.2
  Bottom Layer w10: R36.1@5281.5,1150 5450,1150 H2.12@5500,1200
NetH2_13: H2.13 R37.2 | length 118.5
  Top Layer w10: R37.2@5281.5,1100 H2.13@5400,1100
NetH2_14: H2.14 R38.1 | length 239.2
  Bottom Layer w10: R38.1@5281.5,1050 5450,1050 H2.14@5500,1100
NetH2_15: H2.15 R39.2 | length 118.5
  Top Layer w10: R39.2@5281.5,1000 H2.15@5400,1000
NetH2_16: H2.16 R40.1 | length 239.2
  Bottom Layer w10: R40.1@5281.5,950 5450,950 H2.16@5500,1000
NetH3_2: H3.2 R65.2 | length 268.5
  Top Layer w10: H3.2@300,1900 R65.2@568.5,1900
NetH3_4: H3.4 R67.2 | length 268.5
  Top Layer w10: H3.4@300,1800 R67.2@568.5,1800
NetH3_5: H3.5 R71.1 | length 689.2
  Top Layer w10: H3.5@200,1700 250,1650 R71.1@868.5,1650
NetH3_6: H3.6 R70.2 | length 268.5
  Top Layer w10: H3.6@300,1700 R70.2@568.5,1700
NetH3_7: H3.7 R74.1 | length 689.2
  Top Layer w10: H3.7@200,1600 250,1550 R74.1@868.5,1550
NetH3_8: H3.8 R73.2 | length 268.5
  Top Layer w10: H3.8@300,1600 R73.2@568.5,1600
NetH3_9: H3.9 R76.1 | length 689.2
  Top Layer w10: H3.9@200,1500 250,1450 R76.1@868.5,1450
NetH3_10: H3.10 R75.2 | length 268.5
  Top Layer w10: H3.10@300,1500 R75.2@568.5,1500
NetH3_11: H3.11 R78.1 | length 689.2
  Top Layer w10: H3.11@200,1400 250,1350 R78.1@868.5,1350
NetH3_12: H3.12 R77.2 | length 268.5
  Top Layer w10: H3.12@300,1400 R77.2@568.5,1400
NetH3_14: H3.14 R79.2 | length 268.5
  Top Layer w10: H3.14@300,1300 R79.2@568.5,1300
NetH3_16: H3.16 R80.2 | length 268.5
  Top Layer w10: H3.16@300,1200 R80.2@568.5,1200
NetH4_1: H4.1 R66.2 | length 867.2
  Top Layer w10: R66.2@1400,1421.5 v1(1400,1520)
  Bottom Layer w10: v1(1400,1520) 1400,1330 1410,1320 1530,1320 1620,1230 1620,1180 1670,1130 1794.14,1130 1800,1135.86 H4.1@1800,1200
NetH4_3: H4.3 R68.2 | length 923.1
  Top Layer w10: R68.2@1470,1358.5 1470,1285.86 1475.86,1280 1630,1280 1640,1270 1640,1135.86 1645.86,1130 1894.14,1130 1900,1135.86 1900,1304.14 1894.14,1310 1830.39,1310 1829.77,1309.39 1809.39,1309.39 H4.3@1800,1300
NetH4_4: H4.4 R69.1 | length 215.1
  Top Layer w10: R69.1@1540,1358.5 1540,1305.86 1545.86,1300 H4.4@1700,1300
NetH4_5: H4.5 R72.2 | length 1175.5
  Top Layer w10: v1(1330,1290) R72.2@1330,1358.5 ; v1(1550,1220) 1610,1220 1625,1205 1625,1125.86 1635.86,1115 1914.14,1115 1920,1120.86 1920,1394.14 1914.14,1400 H4.5@1800,1400
  Bottom Layer w10: v1(1330,1290) 1480,1290 v1(1550,1220)
NetIC1_1: IC1.1 R87.2 | length 291.3
  Top Layer w10: R87.2@831.5,870 880,870 999.76,750.24 IC1.1@1073.15,750.24
NetIC1_2: IC1.2 R89.2 | length 279.5
  Top Layer w10: R89.2@831.5,810 905.86,810 997.12,718.74 IC1.2@1073.15,718.74
NetIC1_3: IC1.3 R91.2 | length 267.6
  Top Layer w10: R91.2@831.5,750 920,750 982.76,687.24 IC1.3@1073.15,687.24
NetIC1_4: IC1.4 R93.2 | length 255.8
  Top Layer w10: R93.2@831.5,690 920,690 954.25,655.75 IC1.4@1073.15,655.75
NetIC1_5: IC1.5 R95.2 | length 247.6
  Top Layer w10: R95.2@831.5,630 980,630 990,620 1068.9,620 IC1.5@1073.15,624.25
NetIC1_6: IC1.6 R98.2 | length 251.1
  Top Layer w10: R98.2@831.5,570 900,570 922.76,592.76 IC1.6@1073.15,592.76
NetIC1_7: IC1.7 R100.2 | length 262.9
  Top Layer w10: R100.2@831.5,510 890,510 941.26,561.26 IC1.7@1073.15,561.26
NetIC1_8: IC1.8 R102.2 | length 274.7
  Top Layer w10: R102.2@831.5,450 900,450 979.76,529.76 IC1.8@1073.15,529.76
NetIC1_9: IC1.9 R104.2 | length 174.3
  Top Layer w10: R104.2@1080,319.5 1080,360 1129.76,409.76 IC1.9@1129.76,473.15
NetIC1_11: IC1.11 R107.1 | length 175.5
  Top Layer w10: R107.1@1140,319.5 1140,380 1192.76,432.76 IC1.11@1192.76,473.15
NetIC1_12: IC1.12 R106.1 | length 163.7
  Top Layer w10: R106.1@1200,319.5 1200,380 1224.25,404.25 IC1.12@1224.25,473.15
NetIC1_13: IC1.13 R105.1 | length 155.4
  Top Layer w10: IC1.13@1255.75,473.15 1260,468.9 R105.1@1260,319.5
NetIC1_14: IC1.14 R103.1 | length 167.2
  Top Layer w10: IC1.14@1287.24,473.15 1290,470.39 1290,400 1320,370 R103.1@1320,319.5
NetIC1_15: IC1.15 R101.1 | length 179
  Top Layer w10: IC1.15@1318.74,473.15 1318.74,411.26 1380,350 R101.1@1380,319.5
NetIC1_16: IC1.16 R99.1 | length 188.8
  Top Layer w10: IC1.16@1350.24,473.15 1350.24,429.76 1433.61,346.39 1433.61,327.88 R99.1@1440,321.5
NetIC1_17: IC1.17 R97.1 | length 298.6
  Top Layer w10: IC1.17@1406.85,529.76 1406.85,503.15 1440,470 1612.65,470 1618.5,475.86 R97.1@1618.5,520
NetIC1_20: IC1.20 R96.1 | length 243
  Top Layer w10: IC1.20@1406.85,624.25 1484.25,624.25 1560,700 R96.1@1618.5,700
NetIC1_21: IC1.21 R94.1 | length 280.7
  Top Layer w10: IC1.21@1406.85,655.75 1485.75,655.75 1540,710 1540,754.14 1545.86,760 R94.1@1618.5,760
NetIC1_22: IC1.22 R92.1 | length 307.6
  Top Layer w10: IC1.22@1406.85,687.24 1487.24,687.24 1510,710 1510,780 1550,820 R92.1@1618.5,820
NetIC1_23: IC1.23 R90.1 | length 319.5
  Top Layer w10: IC1.23@1406.85,718.74 1468.74,718.74 1480,730 1480,800 1560,880 R90.1@1618.5,880
NetIC1_24: IC1.24 R88.1 | length 302.4
  Top Layer w10: IC1.24@1406.85,750.24 1407.09,750.47 1407.09,771.19 1575.9,940 R88.1@1618.5,940